# Altium PCB smart-light.PcbDoc
Units mm, origin at the board's own origin, x right, y up, seen from the top; angles counter-clockwise.
Board outline 100 x 96.14 mm, 2 copper layers (Top Layer, Bottom Layer); 141 components, 96 nets, 432 pads, 58 vias.
Unrouted connection lines stored in the file: 99.
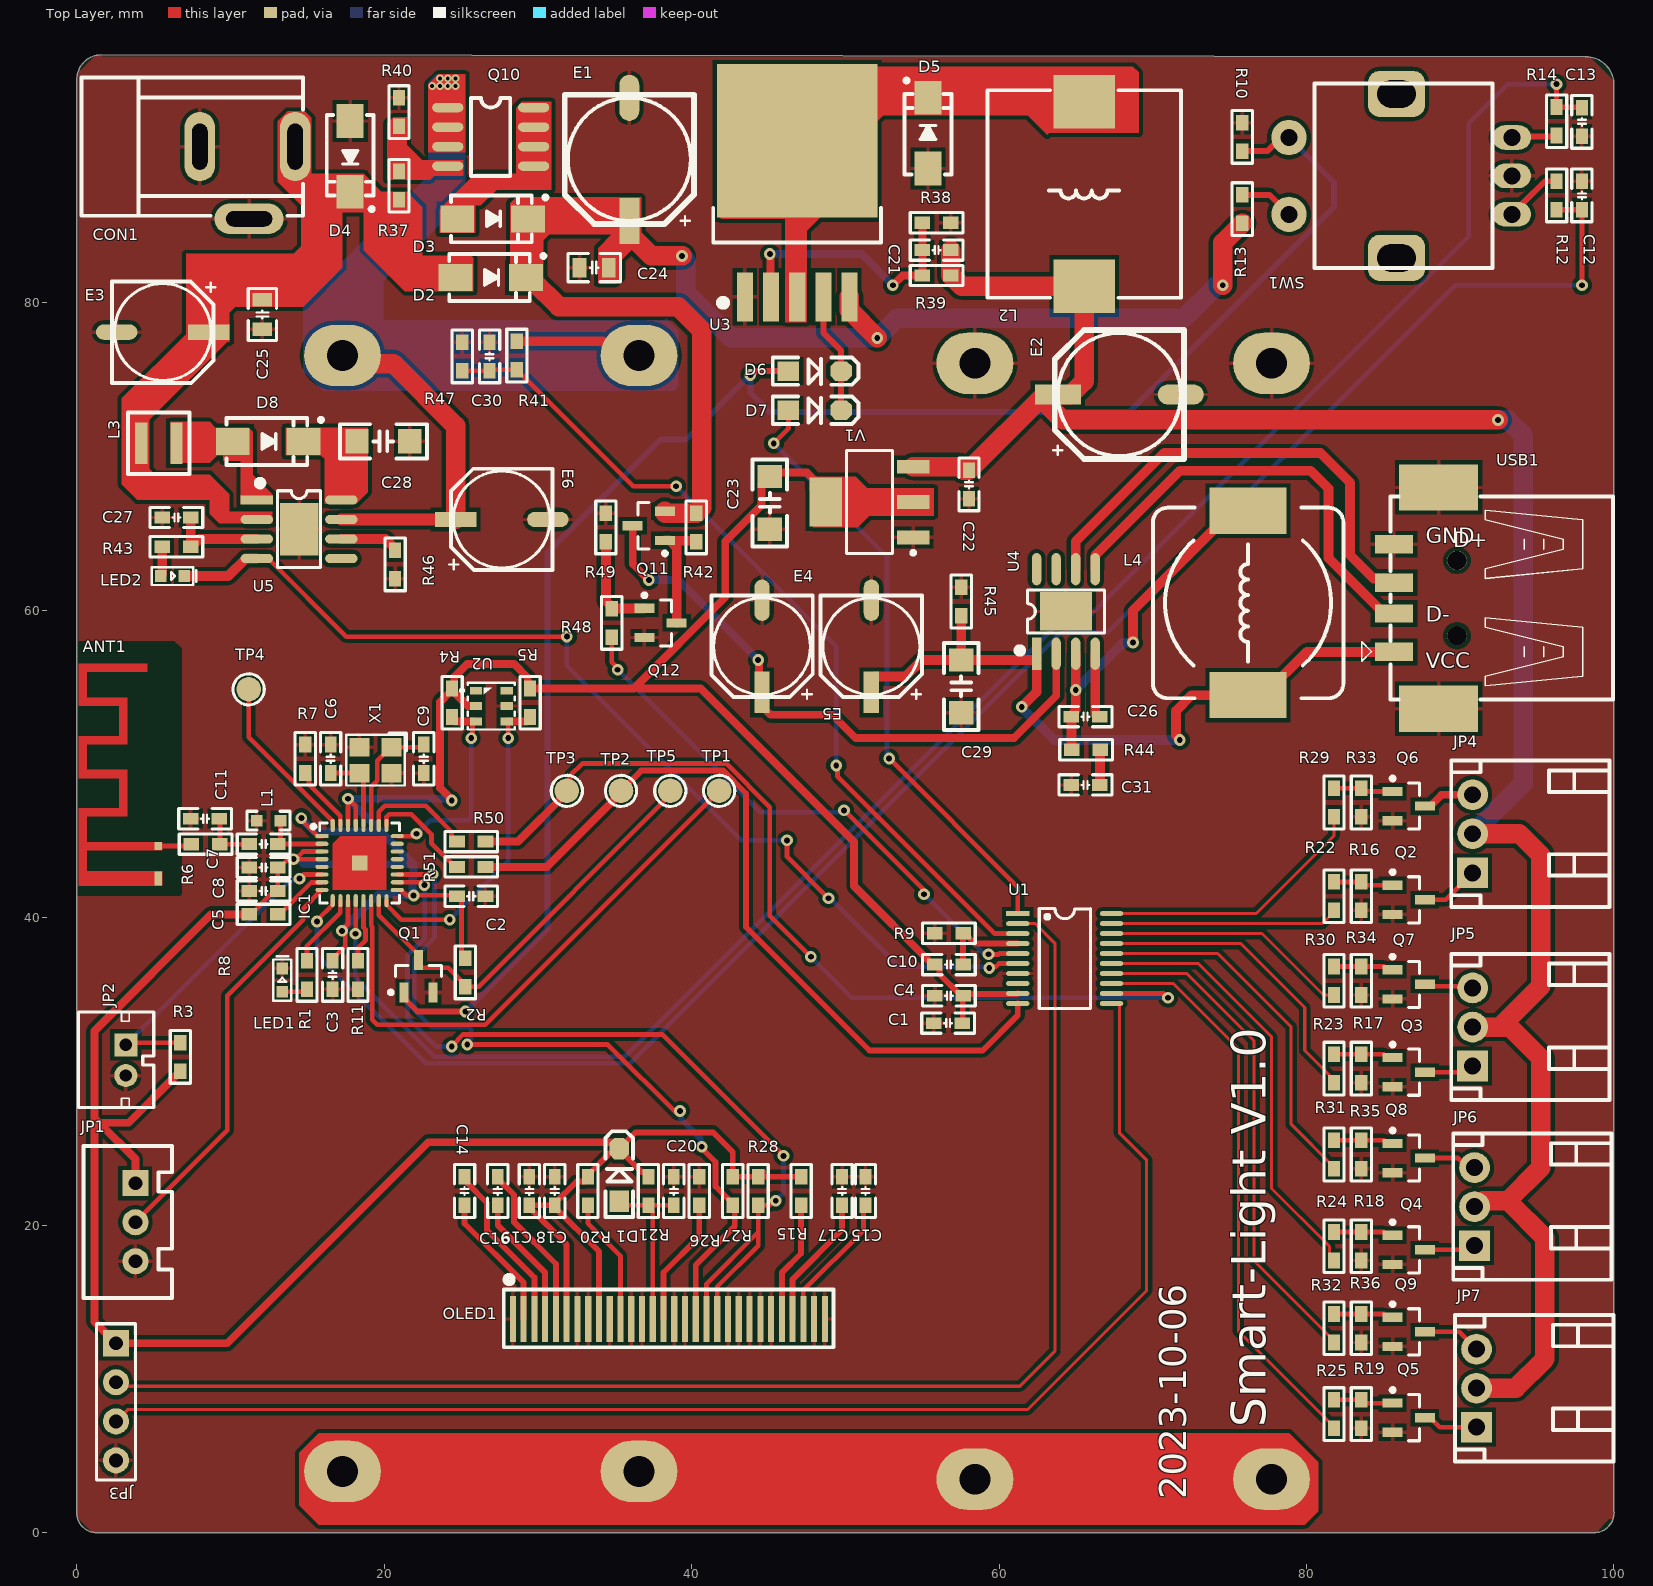
[diagram p0: Top Layer view]
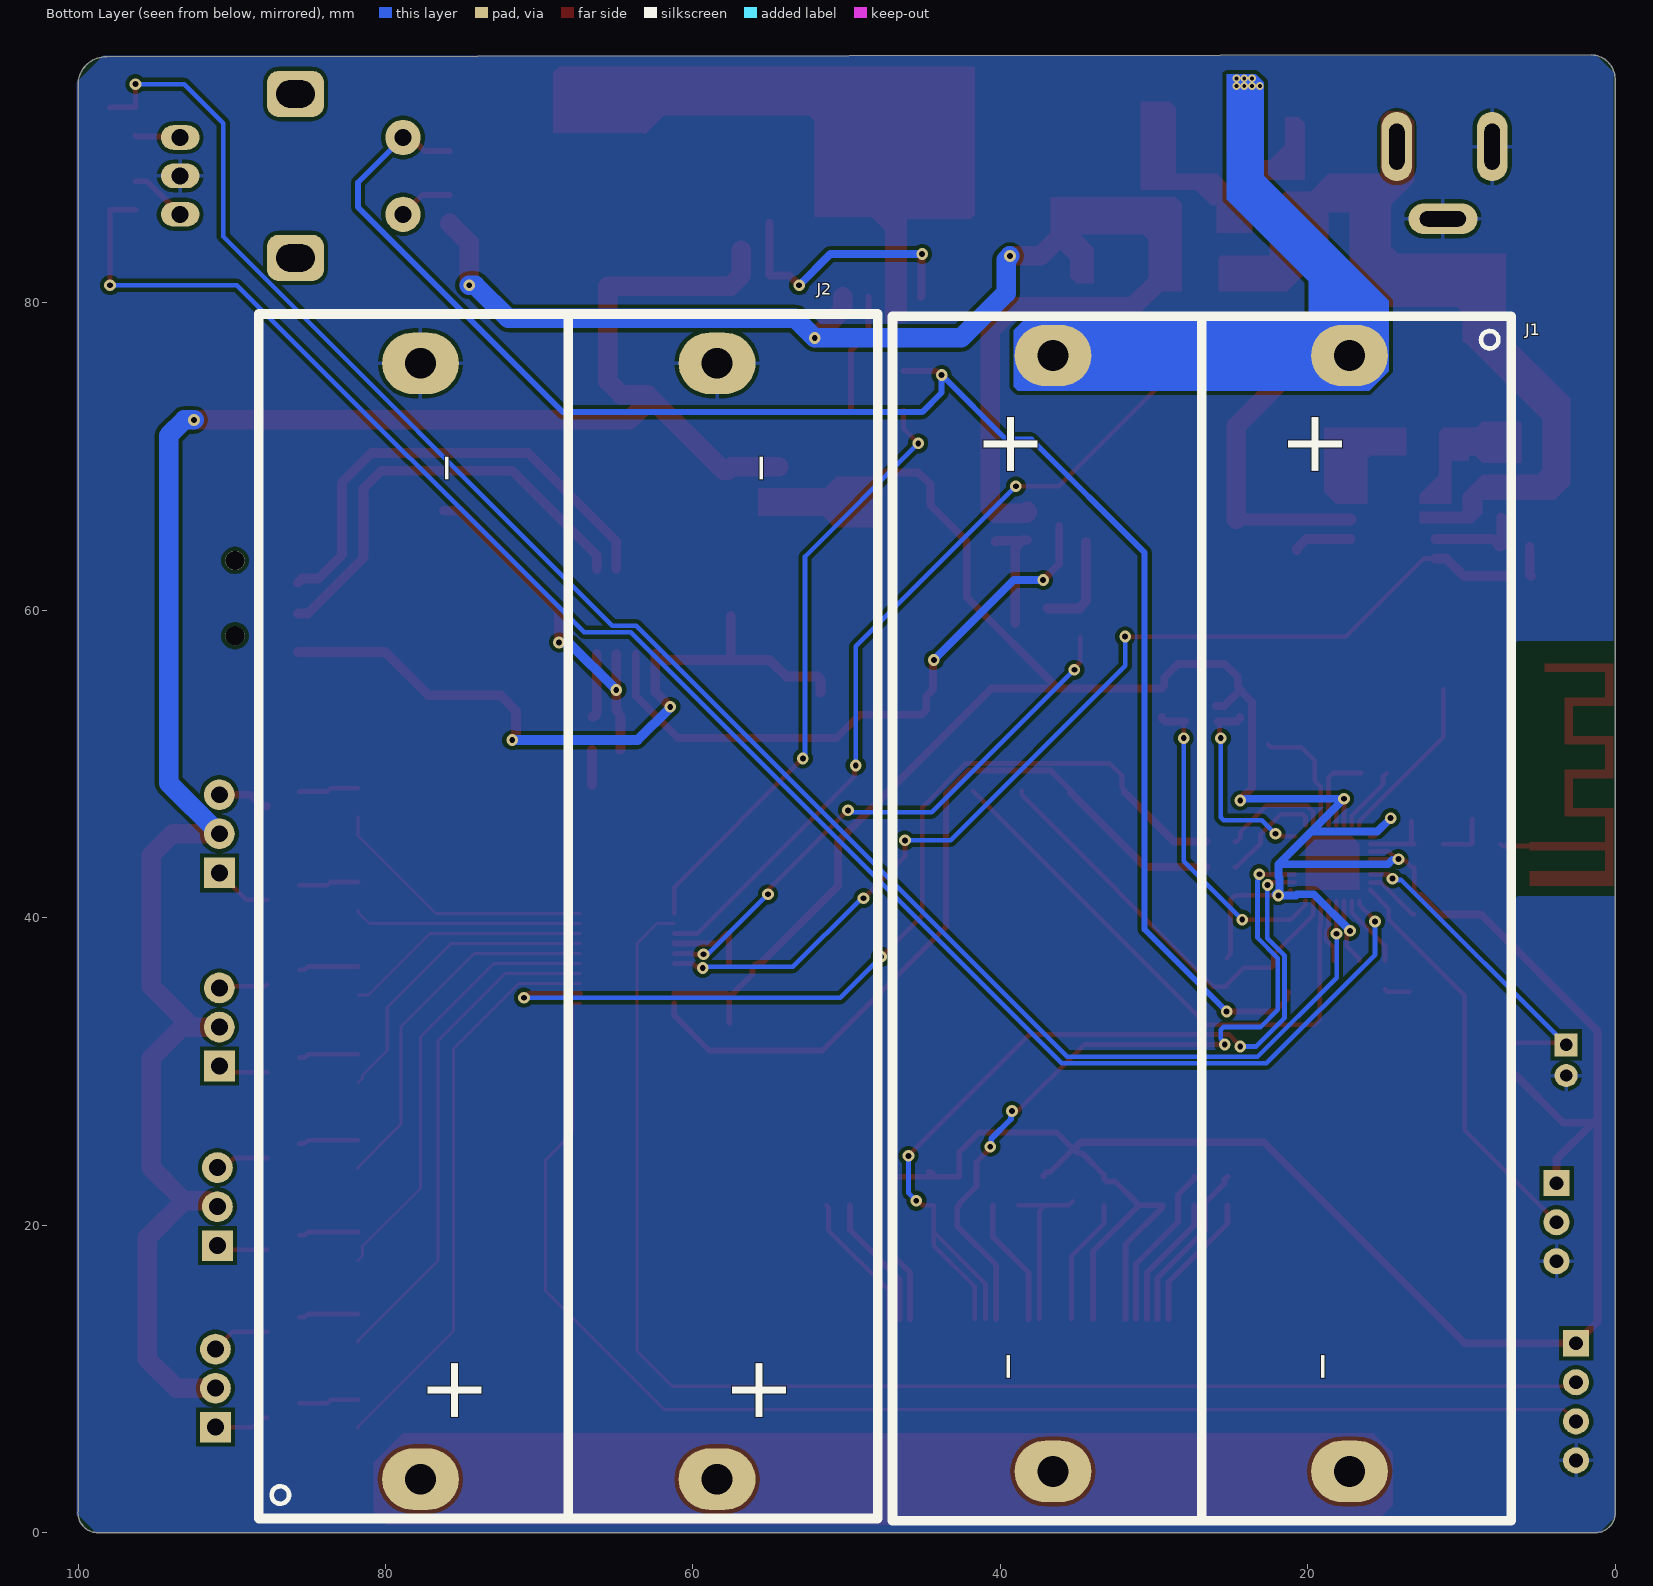
[diagram p1: Bottom Layer view, seen from below]

## Layer stack, top to bottom
Top Solder: solder mask 0.0102, Solder Resist, Dk 3.5
Top Layer: signal copper 0.0356
Dielectric 1: dielectric 0.32, FR-4, Dk 4.8
Bottom Layer: signal copper 0.0356
Bottom Solder: solder mask 0.0102, Solder Resist, Dk 3.5

## Board outline
1.27,0 cw(c1.27,1.27) 0,1.27 0,94.488 cw(c1.587,94.551) 1.524,96.139 98.171,96.012 cw(c98.196,94.209) 100,94.234 100,1.397 cw(c98.704,1.296) 98.806,0

## Design rules (kind name [scope] priority, off if disabled: settings)
Clearance inpolygon [inpolygon] p1: gap=0.254 ignorepadtopadclearanceinfootprint=FALSE
Clearance [All] p2: gap=0.127 ignorepadtopadclearanceinfootprint=FALSE
PolygonConnect [All] p1: thpad.connectstyle=Relief thpad.reliefconductorwidth=0.254 thpad.reliefentries=4 thpad.polygonreliefangle="90 Angle" thpad.airgapwidth=0.254 smdpad.connectstyle=Relief smdpad.reliefconductorwidth=0.254 smdpad.reliefentries=4 smdpad.polygonreliefangle="90 Angle" smdpad.airgapwidth=0.254 via.connectstyle=Direct via.reliefconductorwidth=0.254 via.reliefentries=4 via.polygonreliefangle="90 Angle" via.airgapwidth=0.254
RoutingVias [All] p1: holewidth=0.381 width=0.762 viastyle="Through Hole" minholewidth=0.254 minwidth=0.508 maxholewidth=0.762 maxwidth=1.524
SolderMaskExpansion [All] p1: expansion=0.102 istentingtop=FALSE
Width [InNetClass('All Nets')] p1: maxlimit=1.27 minlimit=0.203 preferedwidth=0.305
30 further rules are at their usual default settings.

## Classes and differential pairs
component class Smart-Light-Hk: ANT1 C1 C2 C3 C4 C5 C6 C7 C8 C9 C10 C11 C12 C13 C14 C15 C16 C17 C18 C19 C20 D1 IC1 JP1 JP2 JP3 JP4 JP5 JP6 JP7 L1 LED1 OLED1 Q1 Q2 Q3 Q4 Q5 Q6 Q7 Q8 Q9 R1 R2 R3 R4 R5 R6 R7 R8 R9 R10 R11 R12 R13 R14 R15 R16 R17 R18 R19 R20 R21 R22 R23 R24 R25 R26 R27 R28 R29 R30 R31 R32 R33 R34 R35 R36 R50 R51 SW1 TP1 TP2 TP3 TP4 TP5 U1 U2 X1
component class Power: C21 C22 C23 C24 C25 C26 C27 C28 C29 C30 C31 CON1 D2 D3 D4 D5 D6 D7 D8 E1 E2 E3 E4 E5 E6 J1 J2 L2 L3 L4 LED2 Q10 Q11 Q12 R37 R38 R39 R40 R41 R42 R43 R44 R45 R46 R47 R48 R49 U3 U4 U5 USB1 V1

## Components (designator, comment, footprint, x,y, rotation, side; value= is the part's Value field where it differs from the comment)
ANT1 "2.4G-ANT" EC-2.4G-PCB-ANT-TYPE1-6 5.292,44.666 r90 top
C1 "100nF" C0603_M 56.68,33.147 r0 top
C2 "100nF" C0603_M 25.654,41.402 r180 top
C3 "100nF" C0603_M 16.637,36.284 r90 top
C4 "100nF" C0603_M 56.731,34.925 r0 top
C5 "100nF" C0603_M 12.15,41.745 r0 top
C6 "10pF" C0603_M 16.51,50.343 r270 top
C7 "8.2pF" C0603_M 12.15,44.793 r180 top
C8 "100nF" C0603_M 12.15,43.269 r0 top
C9 "10pF" C0603_M 22.564,50.343 r90 top
C10 "100nF" C0603_M 56.731,36.957 r180 top
C11 "2.4pF" C0603_M 8.34,46.444 r0 top
C12 "100nF" C0603_M 97.917,86.995 r90 top
C13 "100nF" C0603_M 97.917,91.783 r90 top
C14 "1uF" C0603_M 25.222,22.225 r270 top
C15 "2.2uF" C0603_M 51.308,22.225 r90 top
C16 "1uF" C0603_M 27.381,22.225 r270 top
C17 "4.7uF" C0603_M 49.784,22.225 r90 top
C18 "1uF" C0603_M 31.09,22.225 r270 top
C19 "1uF" C0603_M 29.439,22.225 r270 top
C20 "4.7uF" C0603_M 38.837,22.225 r90 top
C21 "33nF" C0603_M 55.934,83.439 r0 top
C22 "10uF" C0603_M 58.039,68.199 r90 top
C23 "22uF" C1206_M 45.085,66.992 r90 top
C24 "1uF" C0805_L 33.655,82.296 r0 top
C25 "1uF" C0805_L 12.065,79.248 r90 top
C26 "100nF" C0603_M 65.621,53.086 r180 top
C27 "10uF" C0603_M 6.477,66.04 r0 top
C28 "22uF" C1206_M 19.939,70.993 r180 top
C29 "10uF" C1206_M 57.531,55.054 r90 top
C30 "100nF" C0603_M 26.847,76.525 r270 top
C31 "1nF" C0603_M 65.621,48.641 r180 top
CON1 "3.5*1.3" DC-005 8.001,90.17 r180 top
D1 "1N4148" SOD-123 35.281,23.266 r90 top
D2 "SS54" SMA 26.924,81.661 r0 top
D3 "SS54" SMA 27.051,85.471 r0 top
D4 "SMAJ12CA" SMA 17.78,89.535 r270 top
D5 "SS54" SMA 55.372,91.045 r90 top
D6 "1N4148" SOD-123 48.006,75.565 r0 top
D7 "1N4148" SOD-123 48.006,73.025 r0 top
D8 "SS14" SMA 12.446,70.993 r0 top
E1 "470uF/16V" "CE E(8*10.2)" 35.941,89.344 r270 top
E2 "470uF/16V" "CE E(8*10.2)" 67.818,74.041 r180 top
E3 "220uF/16V" "CE D(6.3*7.7)" 5.588,78.105 r0 top
E4 "220uF/16V" "CE D(6.3*7.7)" 44.577,57.658 r270 top
E5 "220uF/16V" "CE D(6.3*7.7)" 51.689,57.658 r270 top
E6 "220uF/16V" "CE D(6.3*7.7)" 27.638,65.913 r180 top
IC1 "ESP8285" "QFN32 5x5_N" 18.393,43.561 r270 top
J1 "BAT_2_18650" BAT_2_18650 47.021,79.131 r270 bottom
J2 "BAT_2_18650" BAT_2_18650 47.979,0.923 r90 bottom
JP1 "HDR-1X3" XH2.54-LI-3P 3.81,20.193 r270 top
JP2 "HDR-1X2" PH2.0-L-2P 3.186,30.734 r270 top
JP3 "HDR-1X4" HDR2.54-LI-4P 2.54,8.509 r270 top
JP4 "HDR-1X3" KF2EDGK-2.54-WI-3P 90.805,45.466 r90 top
JP5 "HDR-1X3" KF2EDGK-2.54-WI-3P 90.805,32.893 r90 top
JP6 "HDR-1X3" KF2EDGK-2.54-WI-3P 90.932,21.209 r90 top
JP7 "HDR-1X3" KF2EDGK-2.54-WI-3P 91.059,9.398 r90 top
L1 "1.5nH" L0603 12.472,46.317 r0 top
L2 "33uH" L-SMD-1265 59.22,93.753 r270 top
L3 "2.2uH" SWPA3015 5.334,70.866 r0 top
L4 "22uH" CDRH125 76.2,60.483 r90 top
LED1 "G" LED0603_G 13.368,35.943 r90 top
LED2 "G" LED0603_G 6.223,62.23 r0 top
OLED1 "OLED-0.96-SSD1315-30PIN" SSD1306-30Pin 28.369,13.886 r0 top
Q1 "SS8050" SOT23-3N 22.225,36.195 r90 top
Q2 "AO3400" SOT23-3N 86.648,41.171 r0 top
Q3 "AO3400" SOT23-3N 86.648,29.954 r0 top
Q4 "AO3400" SOT23-3N 86.648,18.397 r0 top
Q5 "AO3400" SOT23-3N 86.648,7.475 r0 top
Q6 "AO3400" SOT23-3N 86.648,47.264 r0 top
Q7 "AO3400" SOT23-3N 86.648,35.669 r0 top
Q8 "AO3400" SOT23-3N 86.648,24.366 r0 top
Q9 "AO3400" SOT23-3N 86.648,13.063 r0 top
Q10 "NCE4335" SOP-8 26.924,90.805 r0 top
Q11 "AO3401" SOT23-3N 37.211,65.504 r180 top
Q12 "SS8050" SOT23-3N 37.973,59.182 r0 top
R1 "4K7" R0603_M 14.972,36.283 r90 top
R2 "10K" R0603_M 25.273,36.449 r270 top
R3 "10K" R0603_M 6.731,30.95 r270 top
R4 "10K" R0603_M 24.409,53.992 r90 top
R5 "10K" R0603_M 29.485,53.992 r90 top
R6 "0R" R0603_M 8.378,44.793 r0 top
R7 "12K 1%" R0603_M 14.859,50.343 r90 top
R8 "10K" R0603_M 12.15,40.221 r180 top
R9 "1K" R0603_M 56.731,38.989 r0 top
R10 "100K" R0603_M 75.819,90.805 r90 top
R11 "10K" R0603_M 18.288,36.284 r270 top
R12 "1K" R0603_M 96.266,86.995 r90 top
R13 "47K" R0603_M 75.819,86.106 r90 top
R14 "1K" R0603_M 96.266,91.821 r270 top
R15 "560K" R0603_M 47.117,22.225 r270 top
R16 "100K" R0603_M 83.566,41.405 r90 top
R17 "100K" R0603_M 83.566,30.188 r90 top
R18 "100K" R0603_M 83.566,18.631 r90 top
R19 "100K" R0603_M 83.566,7.709 r90 top
R20 "4K7" R0603_M 33.249,22.225 r90 top
R21 "4K7" R0603_M 37.186,22.225 r270 top
R22 "10K" R0603_M 81.788,41.405 r90 top
R23 "10K" R0603_M 81.788,30.188 r90 top
R24 "10K" R0603_M 81.788,18.631 r90 top
R25 "10K" R0603_M 81.788,7.709 r90 top
R26 "4K7" R0603_M 40.488,22.225 r90 top
R27 "10K" R0603_M 42.672,22.225 r270 top
R28 "10K" R0603_M 44.323,22.225 r270 top
R29 "10K" R0603_M 81.788,47.498 r90 top
R30 "10K" R0603_M 81.788,35.903 r90 top
R31 "10K" R0603_M 81.788,24.6 r90 top
R32 "10K" R0603_M 81.788,13.297 r90 top
R33 "100K" R0603_M 83.566,47.498 r90 top
R34 "100K" R0603_M 83.566,35.903 r90 top
R35 "100K" R0603_M 83.566,24.6 r90 top
R36 "100K" R0603_M 83.566,13.297 r90 top
R37 "3K" R0603_M 20.955,87.63 r270 top
R38 "2K 1%" R0603_M 55.934,85.217 r180 top
R39 "10.5K" R0603_M 55.934,81.788 r0 top
R40 "4K7" R0603_M 20.955,92.418 r270 top
R41 "2M" R0603_M 28.625,76.576 r90 top
R42 "10K" R0603_M 40.293,65.4 r90 top
R43 "4K7" R0603_M 6.477,64.135 r0 top
R44 "2R" R0603_M 65.659,50.927 r180 top
R45 "3K3" R0603_M 57.531,60.579 r90 top
R46 "3K" R0603_M 20.701,62.992 r90 top
R47 "1M" R0603_M 25.069,76.525 r270 top
R48 "4.7K" R0603_M 34.798,59.182 r270 top
R49 "47K" R0603_M 34.417,65.396 r90 top
R50 "0" R0603_M 25.654,44.958 r180 top
R51 "0" R0603_M 25.654,43.307 r180 top
SW1 "EC11" EC11-B 86.106,88.265 r0 top
TP1 "RX" "TEST 1.6" 41.783,48.26 r0 top
TP2 "RX" "TEST 1.6" 35.398,48.26 r180 top
TP3 "TX" "TEST 1.6" 31.877,48.26 r0 top
TP4 "RST" "TEST 1.6" 11.176,54.864 r0 top
TP5 "RST" "TEST 1.6" 38.608,48.26 r90 top
U1 "HK32F030MF4P6" TSSOP-20 64.264,37.349 r0 top
U2 "AHT20" AHT20 25.437,52.287 r0 top
U3 "XL4005" TO263-5A 46.863,80.137 r0 top
U4 "IP6510" ESOP8_M 64.346,59.929 r90 top
U5 "ANT2802" ESOP8_M 14.456,65.278 r0 top
USB1 "USB" USB2.0_Type-A_SMD_F_2 89.789,60.796 r90 top
V1 "AMS1117-3V3" SOT223_L 51.562,67.048 r180 top
X1 "26M" XTAL-3225-4P 19.423,50.253 r180 top

## Footprints (in the part's own frame and the unit in brackets; to place one, negate y for a bottom-side part, rotate by r counter-clockwise, add the part's x,y. Pads: shape width x height; smd on the part's side, far side on the other; paste and mask are expansions set on the pad)
AHT20 [mm] "I2C 温湿度传感器"
  rect 0.8x0.5 smd mask+0.05: 1(0.524,2.488) 2(0.524,1.488) 3(0.524,0.488) 4(2.524,0.488) 5(2.524,1.488) 6(2.524,2.488)
  silkscreen extent -0.48,-0.04 3.05,3.01, body extent 0.05,-0.08 3.05,2.92, height 0.84
BAT_2_18650 [mm] "18650电池盒"
  oval 4x5 hole 2: 1(2.55,29.745) 2(2.55,10.445) 3(75.15,10.445) 4(75.15,29.745)
  silkscreen extent 0,0 78.36,40.26
C0603_M [mil] "贴片MLCC电容"
  rect 40x30 smd: 1(-36.5,0) 2(36.5,0)
  silkscreen extent -68,-26 68,26, body extent -31,-16 32,16, height 33
C0805_L [mil] "贴片MLCC电容"
  rect 35x50 smd: 1(-37.4,0) 2(37.4,0)
  silkscreen extent -67,-36 67,36, body extent -39,-24 39,24, height 22
C1206_M [mil] "贴片MLCC电容"
  rect 60x62.99 smd: 1(-67.5,0) 2(67.5,0)
  silkscreen extent -112,-44 112,44, body extent -63,-32 63,32, height 50
CDRH125 [mm] "12*12*5mm（长宽高）"
  rect 3x5 smd: 1(-6,0) 2(6,0)
  silkscreen extent -6.2,-6.2 6.2,6.2, body extent -6,-6 6,6, height 5.03
"CE D(6.3*7.7)" [mm] "贴片电解电容，直径6.3mm，高7.7mm"
  rect 2.7x1 smd: 1(3,0)
  oval 2.7x1 smd: 2(-3,0)
  silkscreen extent -3.3,-3.3 3.43,3.3, body extent -3.5,-3.3 3.5,3.3, height 7.75
"CE E(8*10.2)" [mm] "贴片电解电容，直径8mm，高10.2mm"
  rect 3x1.3 smd: 1(4,0)
  oval 3x1.3 smd: 2(-4,0)
  silkscreen extent -4.2,-4.2 4.3,4.2, body extent -4.5,-4.15 4.5,4.15, height 10.25
DC-005 [mm] "DC母座5.5mm"
  oval 2x4.5 hole 1 slot 3 at 90 deg: 1(-6.2,0) 2(0,0)
  oval 4.5x2 hole 1 slot 3 at 0 deg: 3(-3.2,4.7)
  silkscreen extent -6.7,-4.5 7.7,4.5, body extent -6.55,-4.5 7.5,4.8, height 11.25
EC11-B [mm] "数字开关编码器              联系卖家 免费查找封装"
  rrect50% 3.7x3 hole 1.8 slot 2.5 at 0 deg: 0(-0.254,-5.334) 0(-0.254,5.334)
  round 2.3 hole 1.1: 1(-7.25,2.5) 2(-7.25,-2.5)
  oval 2.5x1.6 hole 1.1: A(7.25,-2.5) B(7.25,2.5) C(7.25,0)
  silkscreen extent -5.59,-6 6,6, body extent -7.65,-6.24 7.15,6.24, height 2.87
EC-2.4G-PCB-ANT-TYPE1-6 [mm]
  rect 0.5x0.5 smd: 1(0,0)
  rect 0.9x0.5 smd: 2(-2.1,0)
  Top Layer region: -2.575,5.165 -2.575,-0.25 -1.65,-0.25 -1.65,4.64 -0.276,4.64 -0.276,-0.25 0.25,-0.25 0.25,4.64 1.925,4.64 1.925,2 4.95,2 4.95,4.64 6.624,4.64 6.624,2 9.65,2 9.65,2 9.65,2 9.65,4.64 11.324,4.64 11.324,4.64 11.324,4.64 11.324,4.64 11.324,0.7 11.324,0.7 11.324,0.7 11.85,0.7 11.85,0.715 11.85,0.716 11.85,0.716 11.85,5.163 11.848,5.165 9.125,5.165 9.125,2.525 7.15,2.525 7.15,5.165 4.425,5.165 4.425,2.525 2.45,2.525 2.45,5.165
ESOP8_M [mm] "5*6*1.8mm（长宽高）"
  rect 2.1x0.6 smd: 1(-2.75,1.905)
  oval 2.1x0.6 smd: 2(-2.75,0.635) 3(-2.75,-0.635) 4(-2.75,-1.905) 5(2.75,-1.905) 6(2.75,-0.635) 7(2.75,0.635) 8(2.75,1.905)
  rect 2.5x3.4 smd paste-2: 9(0,0)
  rect 0.9x0.7 on Top Paste: 10(-0.625,1.1) 10(-0.625,0) 10(-0.625,-1.1) 11(0.65,1.1) 11(0.65,0) 11(0.65,-1.1)
  silkscreen extent -2.69,-2.5 1.4,3.15, body extent -3,-2.5 3,2.5
HDR2.54-LI-4P [mm] "排针，4脚"
  rect 1.7x1.7 hole 0.9: 1(-3.81,0)
  round 1.7 hole 0.9: 2(-1.27,0) 3(1.27,0) 4(3.81,0)
  silkscreen extent -5.08,-1.27 5.08,1.27, body extent -5.08,-1.27 5.08,1.27, height 2.54
KF2EDGK-2.54-WI-3P [mm] "长：9.52mm，宽：10.1mm，高：8.1mm"
  rect 2x2 hole 1.1: 1(-2.54,0)
  round 2 hole 1.1: 2(0,0) 3(2.54,0)
  silkscreen extent -4.76,-8.9 4.76,1.39, body extent -4.76,-8.9 4.76,1.2, height 2.75
L0603 [mil] "小功率贴片电感            联系卖家 免费查找封装"
  rect 30x30 smd: 1(-30.59,0) 2(30.59,0)
  silkscreen extent -55,-24 55,24, body extent -31,-16 32,16, height 31
L-SMD-1265 [mm] "一体化成型电感"
  rect 3.5x4 smd mask+0.051: 1(0.662,6.312) 2(12.662,6.312)
  silkscreen extent -0.09,0.01 13.41,12.61, body extent -0.01,-0.08 13.44,12.52, height 5.09
LED0603_G [mil] "绿色0603LED"
  rect 30x30 smd: 1(-30,0) 2(30,0)
  silkscreen extent -53,-23 61,23, body extent -31,-16 31,16, height 18
PH2.0-L-2P [mm] "长：5.9mm，宽：4.7mm，高：6mm"
  rect 1.5x1.5 hole 0.8: 1(-1,0)
  round 1.5 hole 0.8: 2(1,0)
  silkscreen extent -3.13,-3.08 3.06,1.82, body extent -2.95,-3 2.95,1.7, height 6.05
"QFN32 5x5_N" [mm] "32脚，长x宽x高：5x5x0.95mm，脚距：0.5mm"
  rect 0.275x0.85 smd: 1(-1.751,-2.451)
  oval 0.275x0.85 smd: 2(-1.25,-2.451) 3(-0.75,-2.451) 4(-0.25,-2.451) 5(0.25,-2.451) 6(0.75,-2.451) 7(1.25,-2.451) 8(1.75,-2.451) 17(1.75,2.451) 18(1.25,2.451) 19(0.75,2.451) 20(0.25,2.451) 21(-0.25,2.451) 22(-0.75,2.451) 23(-1.25,2.451) 24(-1.75,2.451)
  oval 0.85x0.275 smd: 9(2.451,-1.75) 10(2.451,-1.25) 11(2.451,-0.75) 12(2.451,-0.25) 13(2.451,0.25) 14(2.451,0.75) 15(2.451,1.25) 16(2.451,1.75) 25(-2.451,1.75) 26(-2.451,1.25) 27(-2.451,0.75) 28(-2.451,0.25) 29(-2.451,-0.25) 30(-2.451,-0.75) 31(-2.451,-1.25) 32(-2.451,-1.75)
  rect 1x1 smd: 33(0,0)
  Top Layer region: -1.75,1.75 1.75,1.75 1.75,-1.75 -1.25,-1.75 -1.75,-1.25
  silkscreen extent -2.6,-3.12 2.6,2.6, body extent -2.5,-2.5 2.5,2.5, height 0.93
R0603_M [mil] "1/10W贴片电阻"
  rect 40x31.5 smd: 1(-36.5,0) 2(36.5,0)
  silkscreen extent -68,-26 68,26, body extent -31,-16 32,16, height 16